# Altium PCB DIO_MCX.PCBDOC (part 3 of 3)
Units mm, origin at the board's own origin, x right, y up, seen from the top; angles counter-clockwise.
Board outline 159.99 x 100 mm, 4 copper layers (L1, P2, P3, L4), stack 1.571 mm thick; 224 components, 126 nets, 876 pads, 343 vias.
Unrouted connection lines stored in the file: 1.
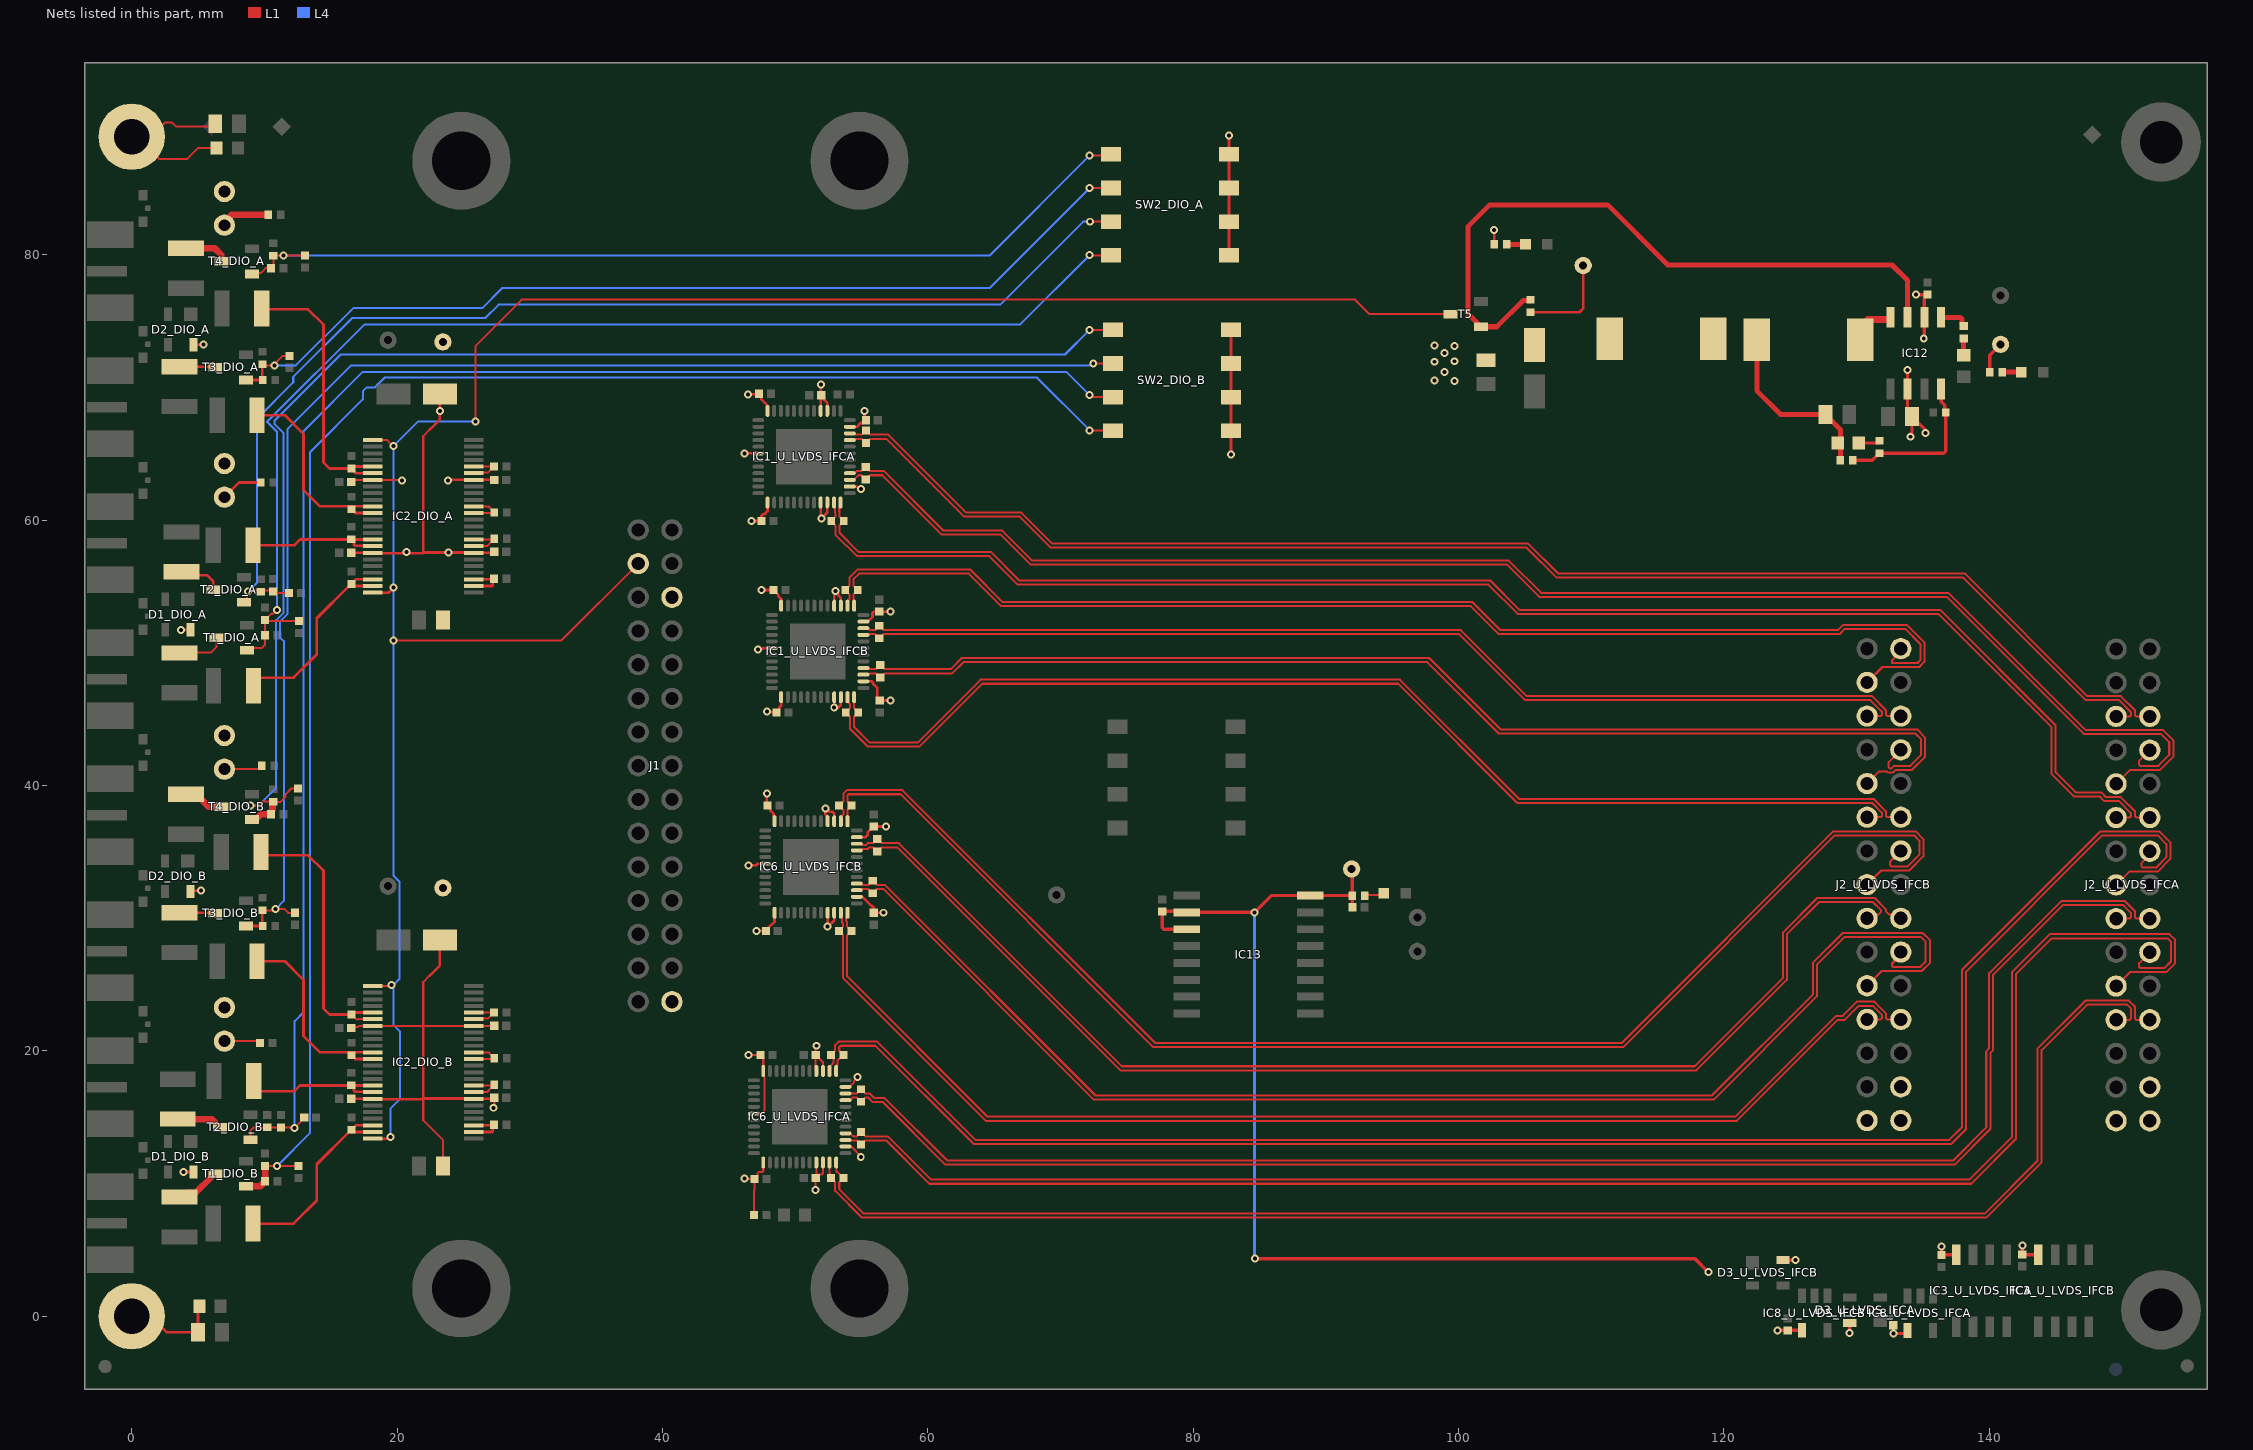
[diagram p5: the nets of this part, all layers, seen from the top]

## Via types
v1: diameter 0.6, hole 0.3, L1 to L4, tented both sides, 287 vias
v2: diameter 0.6, hole 0.3, L1 to L4, tented top, 56 vias

## Nets (pads, with @x,y where several pads share a name; then routed paths per layer and width w, separated by ;. In a path a pad name is that pad's centre, name@x,y a point inside that pad or via, vN(x,y) a via of type N, cw(c..) or ccw(c..) an arc to the next point about the centre after c; other vN are vias at no path point) (continued)
LVDS0_U_LVDS_IFCB_N: IC1_U_LVDS_IFCB.14 J2_U_LVDS_IFCB.3 R13_U_LVDS_IFCB.2 | length 92.7
  L1 w0.152: IC1_U_LVDS_IFCB.14@53.944,53.558 53.944,53.898 54.087,54.041 54.087,54.408 53.997,54.497 53.983,54.497 53.769,54.711 R13_U_LVDS_IFCB.2@53.769,54.731 53.769,54.751 53.983,54.965 53.997,54.965 54.087,55.054 54.087,55.664 54.693,56.271 63.212,56.271 65.66,53.824 101.051,53.824 103.159,51.716 128.585,51.716 128.984,52.115 133.779,52.115 135.101,50.793 135.101,49.322 134.713,48.933 131.949,48.933 J2_U_LVDS_IFCB.3@130.788,47.772
LVDS0_U_LVDS_IFCB_P: IC1_U_LVDS_IFCB.13 J2_U_LVDS_IFCB.2 R13_U_LVDS_IFCB.1 | length 90.2
  L1 w0.152: IC1_U_LVDS_IFCB.13@54.444,53.558 54.416,53.586 54.416,53.991 54.391,54.015 54.391,54.408 54.481,54.497 54.495,54.497 54.709,54.711 R13_U_LVDS_IFCB.1@54.709,54.731 54.709,54.751 54.495,54.965 54.481,54.965 54.391,55.054 54.391,55.538 54.819,55.966 63.086,55.966 65.533,53.519 100.925,53.519 103.033,51.411 128.711,51.411 129.111,51.811 133.652,51.811 134.797,50.666 134.797,49.448 134.586,49.238 132.674,49.238 132.674,49.444 133.328,50.099 J2_U_LVDS_IFCB.2@133.328,50.312
LVDS1_U_LVDS_IFCA_N: IC1_U_LVDS_IFCA.10 J2_U_LVDS_IFCA.6 R11_U_LVDS_IFCA.2 | length 107.3
  L1 w0.152: IC1_U_LVDS_IFCA.10@54.119,66.538 54.459,66.538 54.558,66.439 55.006,66.439 55.095,66.528 55.095,66.543 55.309,66.757 R11_U_LVDS_IFCA.2@55.329,66.757 55.349,66.757 55.563,66.543 55.563,66.528 55.652,66.439 57.005,66.439 62.88,60.565 67.052,60.565 69.378,58.238 105.243,58.238 107.493,55.988 138.139,55.988 147.389,46.738 149.913,46.738 150.981,45.67 150.981,45.296 151.07,45.207 J2_U_LVDS_IFCA.6@152.098,45.207
LVDS1_U_LVDS_IFCA_P: IC1_U_LVDS_IFCA.9 J2_U_LVDS_IFCA.5 R11_U_LVDS_IFCA.1 | length 106.8
  L1 w0.152: IC1_U_LVDS_IFCA.9@54.119,66.038 54.459,66.038 54.555,66.134 55.006,66.134 55.095,66.045 55.095,66.031 55.309,65.817 R11_U_LVDS_IFCA.1@55.329,65.817 55.349,65.817 55.563,66.031 55.563,66.045 55.652,66.134 56.879,66.134 62.754,60.26 66.926,60.26 69.252,57.933 105.117,57.933 107.367,55.683 138.012,55.683 147.262,46.433 149.786,46.433 150.676,45.544 150.676,45.296 150.587,45.207 J2_U_LVDS_IFCA.5@149.558,45.207
LVDS1_U_LVDS_IFCB_N: IC1_U_LVDS_IFCB.10 J2_U_LVDS_IFCB.6 R11_U_LVDS_IFCB.2 | length 81.4
  L1 w0.152: IC1_U_LVDS_IFCB.10@55.144,51.858 55.484,51.858 55.627,51.716 56.021,51.716 56.11,51.805 56.11,51.819 56.324,52.033 R11_U_LVDS_IFCB.2@56.344,52.033 56.364,52.033 56.578,51.819 56.578,51.805 56.667,51.716 100.168,51.716 105.146,46.738 131.167,46.738 132.21,45.695 132.21,45.321 132.299,45.232 J2_U_LVDS_IFCB.6@133.328,45.232
LVDS1_U_LVDS_IFCB_P: IC1_U_LVDS_IFCB.9 J2_U_LVDS_IFCB.5 R11_U_LVDS_IFCB.1 | length 80.9
  L1 w0.152: IC1_U_LVDS_IFCB.9@55.144,51.358 55.172,51.386 55.577,51.386 55.601,51.411 56.021,51.411 56.11,51.322 56.11,51.307 56.324,51.093 R11_U_LVDS_IFCB.1@56.344,51.093 56.364,51.093 56.578,51.307 56.578,51.322 56.667,51.411 100.042,51.411 105.02,46.433 131.041,46.433 131.905,45.569 131.905,45.321 131.816,45.232 J2_U_LVDS_IFCB.5@130.788,45.232
LVDS2_U_LVDS_IFCA_N: IC1_U_LVDS_IFCA.4 J2_U_LVDS_IFCA.9 R9_U_LVDS_IFCA.2 | length 114.9
  L1 w0.152: IC1_U_LVDS_IFCA.4@54.119,63.538 54.459,63.538 54.533,63.612 54.561,63.612 54.64,63.691 54.996,63.691 55.085,63.78 55.085,63.794 55.299,64.008 R9_U_LVDS_IFCA.2@55.319,64.008 55.339,64.008 55.553,63.794 55.553,63.78 55.642,63.691 56.704,63.691 61.176,59.218 65.614,59.218 67.875,56.957 103.791,56.957 106.219,54.528 136.91,54.528 147.235,44.203 153.063,44.203 153.867,43.399 153.867,42.181 152.87,41.183 150.615,41.183 J2_U_LVDS_IFCA.9@149.558,40.127
LVDS2_U_LVDS_IFCA_P: IC1_U_LVDS_IFCA.3 J2_U_LVDS_IFCA.8 R9_U_LVDS_IFCA.1 | length 113.2
  L1 w0.152: IC1_U_LVDS_IFCA.3@54.119,63.038 54.419,63.038 54.766,63.386 54.996,63.386 55.085,63.297 55.085,63.282 55.299,63.068 R9_U_LVDS_IFCA.1@55.319,63.068 55.339,63.068 55.553,63.282 55.553,63.297 55.642,63.386 56.578,63.386 61.05,58.913 65.487,58.913 67.749,56.652 103.665,56.652 106.093,54.224 136.784,54.224 147.109,43.899 152.936,43.899 153.562,43.273 153.562,42.307 152.743,41.488 151.375,41.488 151.286,41.577 151.286,41.854 J2_U_LVDS_IFCA.8@152.098,42.667
LVDS2_U_LVDS_IFCB_N: IC1_U_LVDS_IFCB.4 J2_U_LVDS_IFCB.9 R9_U_LVDS_IFCB.2 | length 89.9
  L1 w0.152: IC1_U_LVDS_IFCB.4@55.144,48.858 55.484,48.858 55.577,48.766 56.096,48.766 56.185,48.855 56.185,48.869 56.399,49.083 R9_U_LVDS_IFCB.2@56.419,49.083 56.439,49.083 56.653,48.869 56.653,48.855 56.742,48.766 61.711,48.766 62.558,49.612 97.776,49.612 103.159,44.229 131.203,44.229 131.213,44.238 132.903,44.238 132.912,44.229 134.556,44.229 135.17,43.614 135.17,42.181 134.173,41.183 133.98,41.183 133.952,41.155 132.912,41.155 132.747,40.99 132.369,40.99 132.285,41.074 131.71,41.074 J2_U_LVDS_IFCB.9@130.788,40.152
LVDS2_U_LVDS_IFCB_P: IC1_U_LVDS_IFCB.3 J2_U_LVDS_IFCB.8 R9_U_LVDS_IFCB.1 | length 88.6
  L1 w0.152: IC1_U_LVDS_IFCB.3@55.144,48.358 55.484,48.358 55.587,48.461 56.096,48.461 56.185,48.372 56.185,48.357 56.399,48.143 R9_U_LVDS_IFCB.1@56.419,48.143 56.439,48.143 56.653,48.357 56.653,48.372 56.742,48.461 61.838,48.461 62.685,49.308 97.65,49.308 103.033,43.924 131.33,43.924 131.339,43.933 132.658,43.933 132.667,43.924 134.43,43.924 134.866,43.488 134.866,42.307 134.047,41.488 133.854,41.488 133.826,41.46 132.786,41.46 132.621,41.295 132.495,41.295 132.406,41.384 132.406,41.77 J2_U_LVDS_IFCB.8@133.328,42.692
LVDS3_U_LVDS_IFCA_N: IC1_U_LVDS_IFCA.48 J2_U_LVDS_IFCA.12 R7_U_LVDS_IFCA.2 | length 112.6
  L1 w0.152: IC1_U_LVDS_IFCA.48@53.419,61.338 53.419,60.998 53.321,60.901 53.321,60.66 53.34,60.641 53.34,60.26 53.43,60.171 53.444,60.171 53.658,59.957 R7_U_LVDS_IFCA.2@53.658,59.937 53.658,59.917 53.444,59.703 53.43,59.703 53.34,59.614 53.34,59.04 54.791,57.589 64.764,57.589 66.901,55.453 102.371,55.453 104.586,53.238 136.287,53.238 144.999,44.526 144.999,40.99 146.501,39.488 148.433,39.488 148.798,39.123 149.907,39.123 150.981,38.05 150.981,37.676 151.07,37.587 J2_U_LVDS_IFCA.12@152.098,37.587
LVDS3_U_LVDS_IFCA_P: IC1_U_LVDS_IFCA.47 J2_U_LVDS_IFCA.11 R7_U_LVDS_IFCA.1 | length 112.6
  L1 w0.152: IC1_U_LVDS_IFCA.47@52.919,61.338 52.919,60.998 53.017,60.901 53.017,60.533 53.036,60.514 53.036,60.26 52.946,60.171 52.932,60.171 52.718,59.957 R7_U_LVDS_IFCA.1@52.718,59.937 52.718,59.917 52.932,59.703 52.946,59.703 53.036,59.614 53.036,58.913 54.664,57.285 64.638,57.285 66.774,55.148 102.245,55.148 104.459,52.933 136.161,52.933 144.694,44.4 144.694,40.864 146.375,39.183 148.307,39.183 148.672,38.819 149.781,38.819 150.676,37.924 150.676,37.676 150.587,37.587 J2_U_LVDS_IFCA.11@149.558,37.587
LVDS3_U_LVDS_IFCB_N: IC1_U_LVDS_IFCB.48 J2_U_LVDS_IFCB.12 R7_U_LVDS_IFCB.2 | length 88.4
  L1 w0.152: IC1_U_LVDS_IFCB.48@54.444,46.658 54.431,46.646 54.431,45.836 54.521,45.747 54.535,45.747 54.749,45.533 R7_U_LVDS_IFCB.2@54.749,45.513 54.749,45.493 54.535,45.279 54.521,45.279 54.431,45.19 54.431,44.423 55.616,43.238 59.237,43.238 63.975,47.977 95.572,47.977 104.56,38.988 131.297,38.988 132.21,38.075 132.21,37.701 132.299,37.612 J2_U_LVDS_IFCB.12@133.328,37.612
LVDS3_U_LVDS_IFCB_P: IC1_U_LVDS_IFCB.47 J2_U_LVDS_IFCB.11 R7_U_LVDS_IFCB.1 | length 88.5
  L1 w0.152: IC1_U_LVDS_IFCB.47@53.944,46.658 53.944,46.318 54.127,46.136 54.127,45.836 54.037,45.747 54.023,45.747 53.809,45.533 R7_U_LVDS_IFCB.1@53.809,45.513 53.809,45.493 54.023,45.279 54.037,45.279 54.127,45.19 54.127,44.297 55.49,42.933 59.363,42.933 64.101,47.672 95.445,47.672 104.434,38.683 131.171,38.683 131.905,37.949 131.905,37.701 131.816,37.612 J2_U_LVDS_IFCB.11@130.788,37.612
LVDS4_U_LVDS_IFCA_N: IC6_U_LVDS_IFCA.14 J2_U_LVDS_IFCA.15 R5_U_LVDS_IFCA.2 | length 129.1
  L1 w0.152: IC6_U_LVDS_IFCA.14@52.594,18.488 52.594,18.817 52.817,19.04 52.817,19.047 52.887,19.117 52.887,19.454 R5_U_LVDS_IFCA.2@52.743,19.599 ; R5_U_LVDS_IFCA.2@52.699,19.688 52.699,19.708 52.913,19.922 52.927,19.922 53.017,20.011 53.017,20.425 53.284,20.693 56.17,20.693 63.575,13.288 136.994,13.288 137.944,14.238 137.944,26.107 148.38,36.543 152.82,36.543 153.652,35.712 153.652,34.471 152.69,33.51 150.562,33.51 J2_U_LVDS_IFCA.15@149.558,32.507
LVDS4_U_LVDS_IFCA_P: IC6_U_LVDS_IFCA.13 J2_U_LVDS_IFCA.14 R5_U_LVDS_IFCA.1 | length 126.8
  L1 w0.152: IC6_U_LVDS_IFCA.13@53.094,18.488 53.122,18.516 53.122,18.921 53.192,18.991 53.192,19.286 53.281,19.376 53.326,19.376 R5_U_LVDS_IFCA.1@53.639,19.688 53.639,19.708 53.425,19.922 53.411,19.922 53.321,20.011 53.321,20.299 53.411,20.388 56.044,20.388 63.449,12.983 137.12,12.983 138.249,14.112 138.249,25.981 148.506,36.238 152.694,36.238 153.347,35.585 153.347,34.598 152.564,33.815 151.557,33.815 151.467,33.904 151.467,34.156 152.098,34.787 J2_U_LVDS_IFCA.14@152.098,35.047
LVDS4_U_LVDS_IFCB_N: IC6_U_LVDS_IFCB.14 J2_U_LVDS_IFCB.15 R5_U_LVDS_IFCB.2 | length 105.1
  L1 w0.152: IC6_U_LVDS_IFCB.14@53.444,37.313 53.444,37.653 53.627,37.836 53.627,38.165 53.537,38.254 53.523,38.254 53.309,38.468 R5_U_LVDS_IFCB.2@53.309,38.488 53.309,38.508 53.523,38.722 53.537,38.722 53.627,38.811 53.627,39.38 53.894,39.648 58.07,39.648 77.125,20.593 112.285,20.593 128.235,36.543 134.452,36.543 135.03,35.966 135.03,34.661 133.968,33.599 131.855,33.599 J2_U_LVDS_IFCB.15@130.788,32.532
LVDS4_U_LVDS_IFCB_P: IC6_U_LVDS_IFCB.13 J2_U_LVDS_IFCB.14 R5_U_LVDS_IFCB.1 | length 102.8
  L1 w0.152: IC6_U_LVDS_IFCB.13@53.944,37.313 53.931,37.326 53.931,38.165 54.021,38.254 54.035,38.254 54.249,38.468 R5_U_LVDS_IFCB.1@54.249,38.488 54.249,38.508 54.035,38.722 54.021,38.722 53.931,38.811 53.931,39.254 54.021,39.343 57.944,39.343 76.999,20.288 112.411,20.288 128.361,36.238 134.326,36.238 134.725,35.84 134.725,34.787 133.842,33.904 132.604,33.904 132.515,33.993 132.515,34.259 J2_U_LVDS_IFCB.14@133.328,35.072
LVDS5_U_LVDS_IFCA_N: IC6_U_LVDS_IFCA.10 J2_U_LVDS_IFCA.18 R24_U_LVDS_IFCA.2 | length 116.3
  L1 w0.152: IC6_U_LVDS_IFCA.10@53.794,16.788 53.797,16.791 54.646,16.791 54.735,16.881 54.735,16.895 54.949,17.109 R24_U_LVDS_IFCA.2@54.969,17.109 54.989,17.109 55.203,16.895 55.203,16.881 55.292,16.791 55.634,16.791 55.981,16.444 56.747,16.444 61.452,11.738 137.27,11.738 139.77,14.238 139.77,19.973 139.986,20.188 139.986,25.855 145.424,31.293 150.225,31.293 150.981,30.537 150.981,30.056 151.07,29.967 J2_U_LVDS_IFCA.18@152.098,29.967
LVDS5_U_LVDS_IFCA_P: IC6_U_LVDS_IFCA.9 J2_U_LVDS_IFCA.17 R24_U_LVDS_IFCA.1 | length 115.9
  L1 w0.152: IC6_U_LVDS_IFCA.9@53.794,16.288 54.134,16.288 54.332,16.487 54.646,16.487 54.735,16.397 54.735,16.383 54.949,16.169 R24_U_LVDS_IFCA.1@54.969,16.169 54.989,16.169 55.203,16.383 55.203,16.397 55.292,16.487 55.508,16.487 55.855,16.139 56.621,16.139 61.326,11.433 137.397,11.433 140.075,14.112 140.075,19.846 140.291,20.062 140.291,25.728 145.551,30.988 150.099,30.988 150.676,30.411 150.676,30.056 150.587,29.967 J2_U_LVDS_IFCA.17@149.558,29.967
LVDS5_U_LVDS_IFCB_N: IC6_U_LVDS_IFCB.10 J2_U_LVDS_IFCB.18 R24_U_LVDS_IFCB.2 | length 94
  L1 w0.152: IC6_U_LVDS_IFCB.10@54.644,35.613 54.984,35.613 55.082,35.516 55.323,35.516 55.459,35.652 55.871,35.652 55.96,35.741 55.96,35.756 56.174,35.97 R24_U_LVDS_IFCB.2@56.194,35.97 56.214,35.97 56.428,35.756 56.428,35.741 56.517,35.652 57.82,35.652 74.629,18.843 117.799,18.843 124.444,25.488 124.444,28.919 127.054,31.529 131.345,31.529 132.21,30.664 132.21,30.537 132.479,30.269 133.051,30.269 J2_U_LVDS_IFCB.18@133.328,29.992
LVDS5_U_LVDS_IFCB_P: IC6_U_LVDS_IFCB.9 J2_U_LVDS_IFCB.17 R24_U_LVDS_IFCB.1 | length 93.4
  L1 w0.152: IC6_U_LVDS_IFCB.9@54.644,35.113 54.984,35.113 55.082,35.211 55.449,35.211 55.585,35.347 55.871,35.347 55.96,35.258 55.96,35.244 56.174,35.03 R24_U_LVDS_IFCB.1@56.194,35.03 56.214,35.03 56.428,35.244 56.428,35.258 56.517,35.347 57.694,35.347 74.503,18.538 117.925,18.538 124.749,25.362 124.749,28.793 127.18,31.224 131.219,31.224 131.842,30.6 131.842,30.474 131.637,30.269 131.065,30.269 J2_U_LVDS_IFCB.17@130.788,29.992
LVDS6_U_LVDS_IFCA_N: IC6_U_LVDS_IFCA.4 J2_U_LVDS_IFCA.21 R21_U_LVDS_IFCA.2 | length 124
  L1 w0.152: IC6_U_LVDS_IFCA.4@53.794,13.788 54.134,13.788 54.353,13.569 54.427,13.569 54.43,13.566 54.646,13.566 54.735,13.655 54.735,13.669 54.949,13.883 R21_U_LVDS_IFCA.2@54.969,13.883 54.989,13.883 55.203,13.669 55.203,13.655 55.292,13.566 56.97,13.566 60.243,10.293 138.499,10.293 141.694,13.488 141.694,25.919 144.568,28.793 153.57,28.793 153.999,28.364 153.999,26.612 153.32,25.933 150.605,25.933 J2_U_LVDS_IFCA.21@149.558,24.887
LVDS6_U_LVDS_IFCA_P: IC6_U_LVDS_IFCA.3 J2_U_LVDS_IFCA.20 R21_U_LVDS_IFCA.1 | length 122.2
  L1 w0.152: IC6_U_LVDS_IFCA.3@53.794,13.288 53.818,13.264 54.301,13.264 54.304,13.261 54.646,13.261 54.735,13.172 54.735,13.157 54.949,12.943 R21_U_LVDS_IFCA.1@54.969,12.943 54.989,12.943 55.203,13.157 55.203,13.172 55.292,13.261 56.844,13.261 60.117,9.988 138.625,9.988 141.999,13.362 141.999,25.793 144.694,28.488 153.444,28.488 153.694,28.238 153.694,26.738 153.194,26.238 151.375,26.238 151.286,26.327 151.286,26.614 J2_U_LVDS_IFCA.20@152.098,27.427
LVDS6_U_LVDS_IFCB_N: IC6_U_LVDS_IFCB.4 J2_U_LVDS_IFCB.21 R21_U_LVDS_IFCB.2 | length 101.6
  L1 w0.152: IC6_U_LVDS_IFCB.4@54.644,32.613 54.984,32.613 55.082,32.516 55.521,32.516 55.61,32.605 55.61,32.619 55.824,32.833 R21_U_LVDS_IFCB.2@55.844,32.833 55.864,32.833 56.078,32.619 56.078,32.605 56.167,32.516 56.759,32.516 72.635,16.639 119.095,16.639 126.694,24.238 126.694,26.632 128.947,28.885 134.992,28.885 135.512,28.364 135.512,26.612 134.923,26.023 131.898,26.023 J2_U_LVDS_IFCB.21@130.788,24.912
LVDS6_U_LVDS_IFCB_P: IC6_U_LVDS_IFCB.3 J2_U_LVDS_IFCB.20 R21_U_LVDS_IFCB.1 | length 99.6
  L1 w0.152: IC6_U_LVDS_IFCB.3@54.644,32.113 54.984,32.113 55.082,32.211 55.521,32.211 55.61,32.122 55.61,32.107 55.824,31.893 R21_U_LVDS_IFCB.1@55.844,31.893 55.864,31.893 56.078,32.107 56.078,32.122 56.167,32.211 56.633,32.211 72.509,16.334 119.221,16.334 126.999,24.112 126.999,26.506 129.073,28.58 134.866,28.58 135.207,28.238 135.207,26.738 134.797,26.327 132.758,26.327 132.668,26.417 132.668,26.589 133.328,27.249 J2_U_LVDS_IFCB.20@133.328,27.452
LVDS7_U_LVDS_IFCA_N: IC6_U_LVDS_IFCA.48 J2_U_LVDS_IFCA.24 R16_U_LVDS_IFCA.2 | length 114.7
  L1 w0.152: IC6_U_LVDS_IFCA.48@53.094,11.588 53.122,11.56 53.122,10.877 53.143,10.857 ; 53.157,10.871 53.183,10.845 53.208,10.845 R16_U_LVDS_IFCA.2@53.639,10.413 53.639,10.393 53.425,10.179 53.411,10.179 53.321,10.09 53.321,9.582 55.165,7.738 139.644,7.738 143.644,11.738 143.644,20.188 147.249,23.793 150.521,23.793 150.981,23.334 150.981,22.436 151.07,22.347 J2_U_LVDS_IFCA.24@152.098,22.347
LVDS7_U_LVDS_IFCA_P: IC6_U_LVDS_IFCA.47 J2_U_LVDS_IFCA.23 R16_U_LVDS_IFCA.1 | length 114.5
  L1 w0.152: IC6_U_LVDS_IFCA.47@52.594,11.588 52.594,10.768 52.699,10.663 R16_U_LVDS_IFCA.1@52.699,10.413 52.699,10.393 52.913,10.179 52.927,10.179 53.017,10.09 53.017,9.456 55.039,7.433 139.77,7.433 143.949,11.612 143.949,20.062 147.375,23.488 150.395,23.488 150.676,23.207 150.676,22.436 150.587,22.347 J2_U_LVDS_IFCA.23@149.558,22.347
LVDS7_U_LVDS_IFCB_N: IC6_U_LVDS_IFCB.48 J2_U_LVDS_IFCB.24 R16_U_LVDS_IFCB.2 | length 93.3
  L1 w0.152: IC6_U_LVDS_IFCB.48@53.944,30.413 53.944,30.073 53.846,29.976 53.846,29.809 53.921,29.734 53.921,29.361 54.011,29.272 54.025,29.272 54.239,29.058 R16_U_LVDS_IFCB.2@54.239,29.038 54.239,29.018 54.025,28.804 54.011,28.804 53.921,28.715 53.921,25.611 64.494,15.038 120.853,15.038 128.463,22.648 128.963,22.648 130.02,23.705 131.34,23.705 132.21,22.835 132.21,22.461 132.299,22.372 J2_U_LVDS_IFCB.24@133.328,22.372
LVDS7_U_LVDS_IFCB_P: IC6_U_LVDS_IFCB.47 J2_U_LVDS_IFCB.23 R16_U_LVDS_IFCB.1 | length 93.3
  L1 w0.152: IC6_U_LVDS_IFCB.47@53.444,30.413 53.444,30.073 53.542,29.976 53.542,29.683 53.617,29.608 53.617,29.361 53.527,29.272 53.513,29.272 53.299,29.058 R16_U_LVDS_IFCB.1@53.299,29.038 53.299,29.018 53.513,28.804 53.527,28.804 53.617,28.715 53.617,25.485 64.368,14.733 120.979,14.733 128.589,22.343 129.089,22.343 130.146,23.401 131.214,23.401 131.905,22.709 131.905,22.461 131.816,22.372 J2_U_LVDS_IFCB.23@130.788,22.372
Mezz_Buf_OEn: IC2_DIO_A.25 IC2_DIO_A.48 IC2_DIO_B.25 IC2_DIO_B.48 J1.28 T5.3 | length 168.7
  L1 w0.152: IC2_DIO_B.25@18.169,24.888 19.672,24.888 v1(19.584,24.976) ; IC2_DIO_A.25@18.169,66.038 19.269,66.038 19.719,65.588 v1(19.719,65.58) ; v1(19.493,13.512) v1@19.617,13.637 ; v1@19.617,54.787 19.719,54.888 v1(19.719,54.91) ; v1(19.719,50.942) 32.388,50.942 J1.28@38.174,56.728 ; v1(25.894,67.449) 25.894,73.123 29.391,76.621 92.194,76.621 93.286,75.528 T5.3@99.394,75.528
  L1 w0.203: IC2_DIO_B.48@18.169,13.388 19.369,13.388 v1@19.617,13.637 ; IC2_DIO_A.48@18.169,54.538 19.369,54.538 v1@19.617,54.787
  L4 w0.152: v1(19.493,13.512) 19.493,15.656 20.222,16.385 20.222,21.428 19.732,21.918 19.732,24.828 19.658,24.902 19.658,24.929 19.791,25.062 19.817,25.062 20.172,25.417 20.172,32.767 19.719,33.22 v1(19.719,50.942) v1(19.719,54.91) v1(19.719,65.58) 21.588,67.449 v1(25.894,67.449)
NetB13_1: B13.1 C5.1 R34.2 | length 4.8
  L1 w0.203: 2.344,-0.912 2.644,-1.212 C5.1@4.994,-1.212 4.994,0.657 R34.2@5.094,0.757
NetB14_1: B14.1 C6.1 R35.2 | length 14.4
  L1 w0.152: C6.1@6.294,89.876 6.075,89.657 3.34,89.657 3.01,89.987 2.543,89.987 2.384,89.828 0.928,89.828 B14.1@0,88.9 0.409,88.9 2.071,87.238 4.194,87.238 5.012,88.056 R35.2@6.394,88.056
NetC94_1: C94.1 R68.2 | length 1.6
  L1 w0.254: C94.1@130.169,65.813 131.544,65.813 R68.2@131.714,65.983
NetC94_2: C94.2 C121.2 L1.1 L6.2 R101.2 | length 13.7
  L1 w0.381: L6.2@122.482,73.597 122.482,69.763 124.282,67.963 C121.2@127.644,67.963 128.774,66.833 128.774,65.813 R101.2@128.774,64.513
NetC95_2: C95.2 R104.1 | length 1.3
  L1 w0.381: C95.2@138.069,72.423 R104.1@138.069,73.693
NetIC2_DIO_A_2: IC2_DIO_A.2 IC2_DIO_A.3 R26_DIO_A.1 | length 3.5
  L1 w0.203: IC2_DIO_A.2@25.769,55.038 27.153,55.038 27.207,55.092 27.207,55.496 R26_DIO_A.1@27.249,55.538 ; IC2_DIO_A.3@25.769,55.538 R26_DIO_A.1@27.249,55.538 ; R26_DIO_A.1@27.299,55.588 R26_DIO_A.1@27.249,55.538
NetIC2_DIO_A_8: IC2_DIO_A.8 IC2_DIO_A.9 R27_DIO_A.1 | length 3.4
  L1 w0.152: IC2_DIO_A.8@25.769,58.038 26.773,58.038 27.105,58.371 27.319,58.584 R27_DIO_A.1@27.319,58.604 27.253,58.538 IC2_DIO_A.9@25.769,58.538
NetIC2_DIO_A_13: IC2_DIO_A.13 IC2_DIO_A.14 R28_DIO_A.1 | length 3.3
  L1 w0.152: IC2_DIO_A.13@25.769,60.538 27.269,60.538 R28_DIO_A.1@27.319,60.588 27.319,60.608 27.105,60.822 26.889,61.038 IC2_DIO_A.14@25.769,61.038
NetIC2_DIO_A_19: IC2_DIO_A.19 IC2_DIO_A.20 R29_DIO_A.1 | length 3.3
  L1 w0.152: IC2_DIO_A.19@25.769,63.538 25.809,63.578 26.839,63.578 27.065,63.804 27.085,63.804 27.299,64.018 R29_DIO_A.1@27.299,64.038 IC2_DIO_A.20@25.769,64.038
NetIC2_DIO_A_29: IC2_DIO_A.29 IC2_DIO_A.30 R17_DIO_A.2 R149_DIO_A.2 | length 21.4
  L1 w0.203: R17_DIO_A.2@9.818,76.388 10.318,75.888 13.293,75.888 14.444,74.737 14.444,64.363 14.914,63.893 R149_DIO_A.2@16.554,63.893 ; IC2_DIO_A.30@18.169,63.538 16.908,63.538 16.762,63.684 16.762,63.704 16.574,63.893 R149_DIO_A.2@16.554,63.893 ; IC2_DIO_A.29@18.169,64.038 16.7,64.038 R149_DIO_A.2@16.554,63.893
NetIC2_DIO_A_35: IC2_DIO_A.35 IC2_DIO_A.36 R15_DIO_A.2 R146_DIO_A.2 | length 15.8
  L1 w0.203: R15_DIO_A.2@9.444,67.911 11.531,67.911 12.944,66.498 12.944,62.288 14.194,61.038 IC2_DIO_A.35@18.169,61.038 ; R146_DIO_A.2@16.554,60.818 16.574,60.818 16.854,60.538 IC2_DIO_A.36@18.169,60.538
NetIC2_DIO_A_40: IC2_DIO_A.40 IC2_DIO_A.41 R14_DIO_A.2 R143_DIO_A.2 | length 11.2
  L1 w0.203: R14_DIO_A.2@9.144,58.114 12.27,58.114 12.694,58.538 R143_DIO_A.2@16.594,58.538 ; R143_DIO_A.2@16.544,58.568 16.564,58.568 R143_DIO_A.2@16.594,58.538 ; IC2_DIO_A.41@18.169,58.038 18.13,58.077 16.804,58.077 16.752,58.128 16.752,58.38 R143_DIO_A.2@16.594,58.538 ; IC2_DIO_A.40@18.169,58.538 R143_DIO_A.2@16.594,58.538
NetIC2_DIO_A_46: IC2_DIO_A.46 IC2_DIO_A.47 R12_DIO_A.2 R140_DIO_A.2 | length 15.3
  L1 w0.203: R12_DIO_A.2@9.144,48.131 12.204,48.131 13.944,49.871 13.944,52.607 16.375,55.038 IC2_DIO_A.47@18.169,55.038 ; R140_DIO_A.2@16.554,55.197 16.574,55.197 16.762,55.385 16.762,55.405 16.895,55.538 IC2_DIO_A.46@18.169,55.538
NetIC2_DIO_B_2: IC2_DIO_B.2 IC2_DIO_B.3 R26_DIO_B.1 | length 3.5
  L1 w0.203: IC2_DIO_B.2@25.769,13.888 27.153,13.888 27.207,13.942 27.207,14.346 R26_DIO_B.1@27.249,14.388 ; IC2_DIO_B.3@25.769,14.388 R26_DIO_B.1@27.249,14.388 ; R26_DIO_B.1@27.299,14.438 R26_DIO_B.1@27.249,14.388
NetIC2_DIO_B_8: IC2_DIO_B.8 IC2_DIO_B.9 R27_DIO_B.1 | length 3.4
  L1 w0.152: IC2_DIO_B.8@25.769,16.888 26.773,16.888 27.105,17.221 27.319,17.434 R27_DIO_B.1@27.319,17.454 27.253,17.388 IC2_DIO_B.9@25.769,17.388
NetIC2_DIO_B_13: IC2_DIO_B.13 IC2_DIO_B.14 R28_DIO_B.1 | length 3.3
  L1 w0.152: IC2_DIO_B.13@25.769,19.388 27.269,19.388 R28_DIO_B.1@27.319,19.438 27.319,19.458 27.105,19.672 26.889,19.888 IC2_DIO_B.14@25.769,19.888
NetIC2_DIO_B_19: IC2_DIO_B.19 IC2_DIO_B.20 R29_DIO_B.1 | length 3.3
  L1 w0.152: IC2_DIO_B.19@25.769,22.388 25.809,22.428 26.839,22.428 27.065,22.654 27.085,22.654 27.299,22.868 R29_DIO_B.1@27.299,22.888 IC2_DIO_B.20@25.769,22.888